# KiCad board spleeb.kicad_pcb (continued)
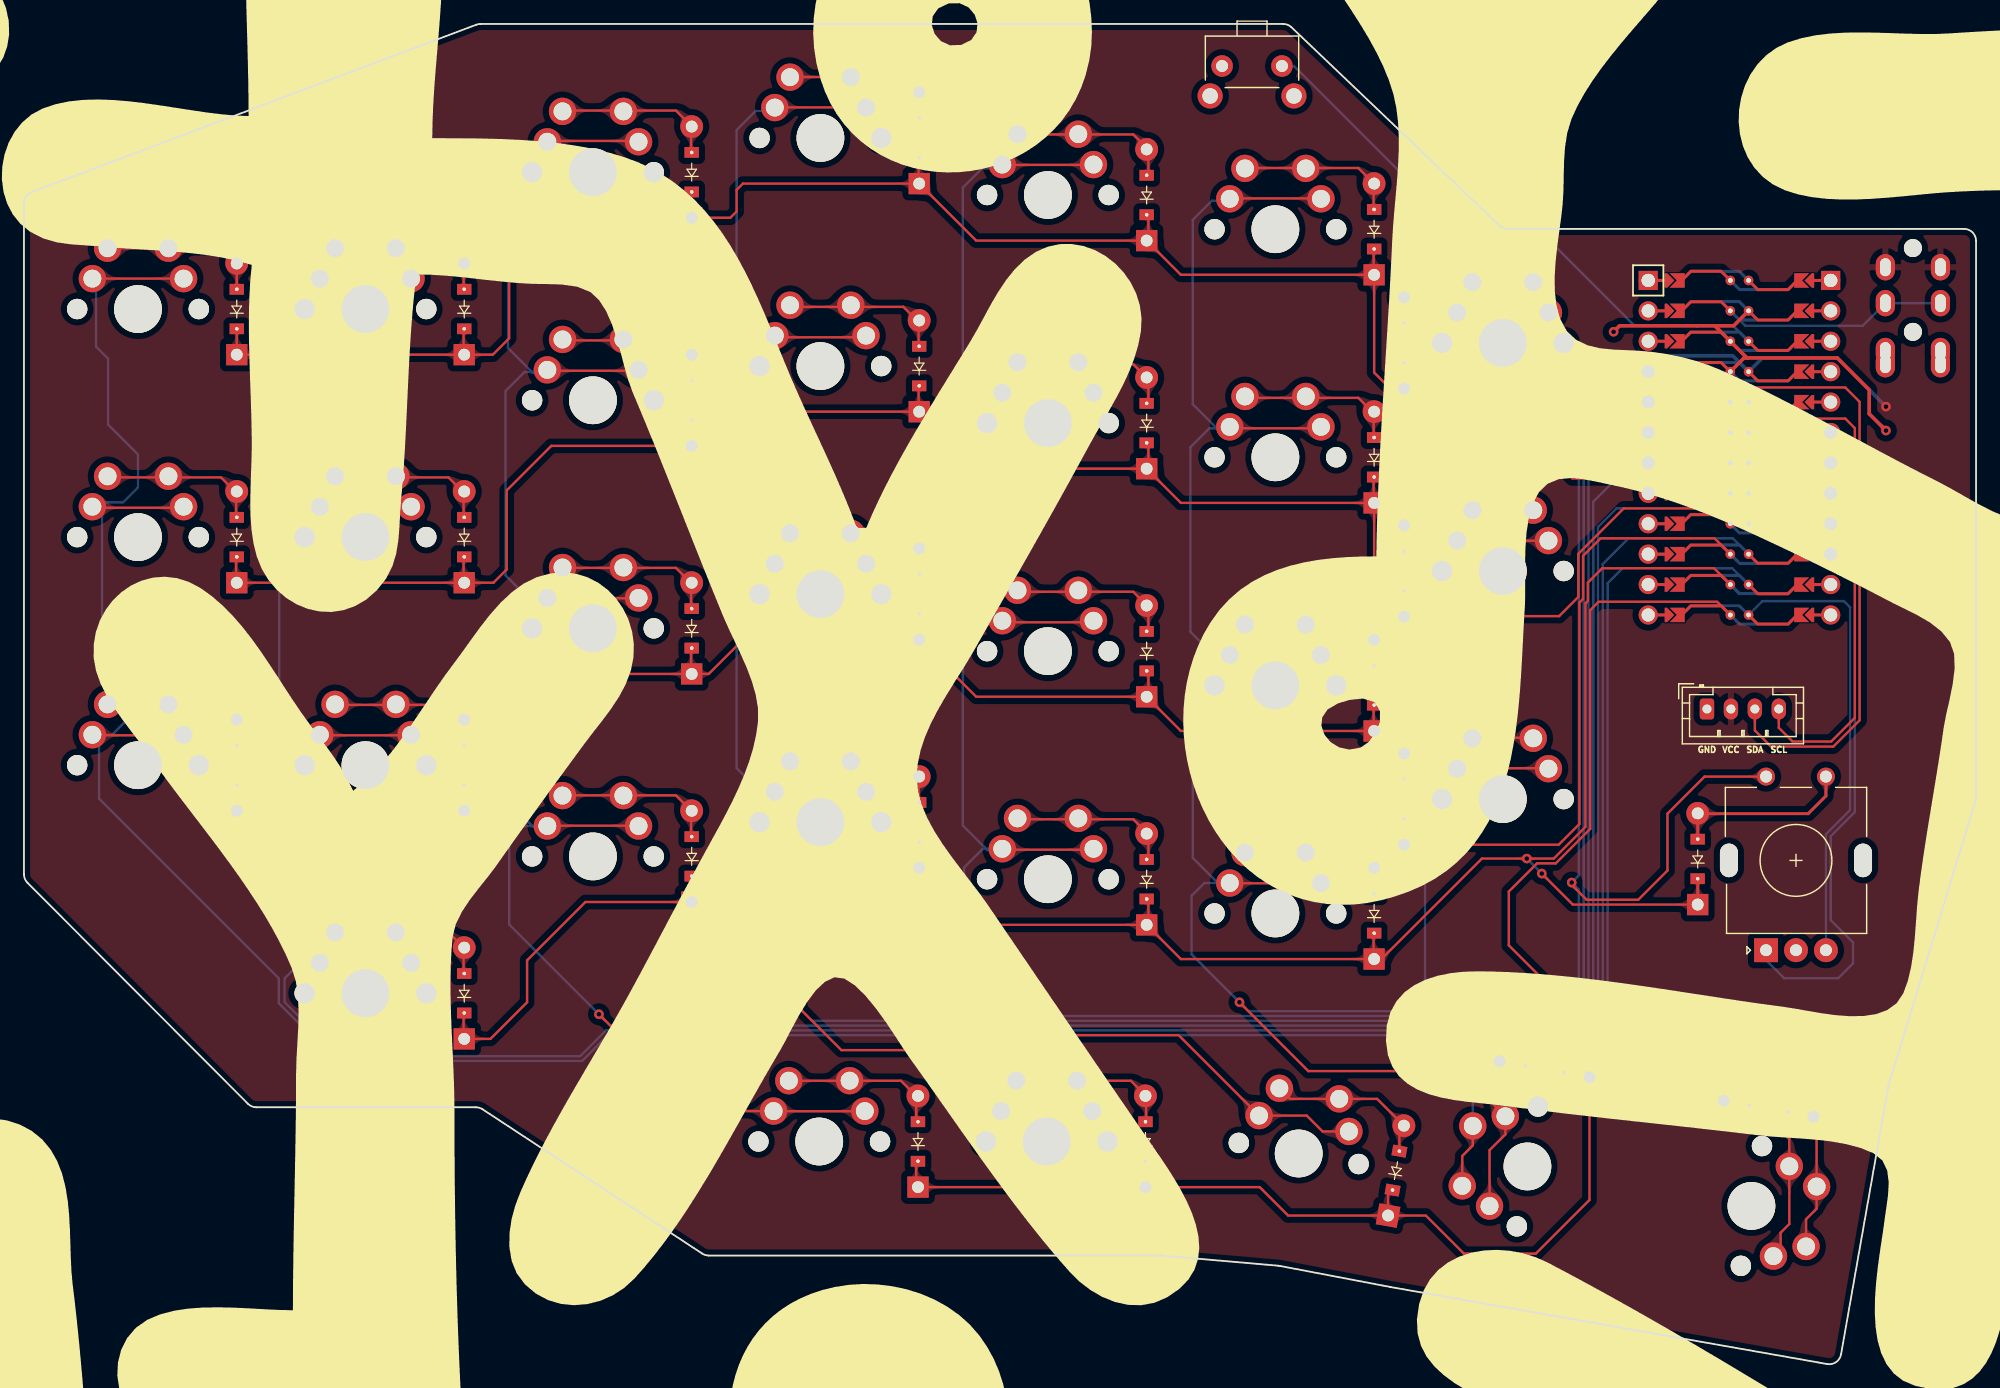
[diagram p0: board, top side]
## Routing (per net, layer and track width the routed paths; a pad name or vN(x,y) marks a point on that pad's centre or on a via; arc(x,y) is an arc through that point) (continued)
pinky_home: length 13.5
  Top w0.2: 36.73,51.63 36.73,53.79 35.46,55.06 25.94,55.06
pinky_number: length 13.5
  Top w0.2: 25.94,93.26 35.46,93.26 36.73,91.99 36.73,89.83
pinky_top: length 13.5
  Top w0.2: 25.94,74.06 35.46,74.06 36.73,72.79 36.73,70.63
ring_bottom: length 13.5
  Top w0.2: 55.73,44.07 55.73,46.23 54.46,47.5 44.94,47.5
ring_col: length 286.9
  Top w0.2: 62.47,21.12 70.09,21.12 ; v1(48.03,29.22) 56.12,21.13 S27.2 ; 43.67,44.96 51.29,44.96 ; 43.67,102.16 51.29,102.16 ; 43.67,63.96 51.29,63.96 ; 43.67,82.96 51.29,82.96
  Bottom w0.2: S8.2 41.59,44.94 40.53,43.88 40.53,36.72 48.98,28.27 130.02,28.27 131.48,29.72 131.48,69.92 133.03,71.47 142.77,71.47 MCU1.9 ; 43.62,63.81 42.29,63.81 40.23,65.87 40.23,81.27 41.82,82.86 43.62,82.86 ; 43.82,44.91 42.49,44.91 40.43,46.97 40.43,62.37 42.02,63.96 43.82,63.96 ; 43.82,82.81 42.49,82.81 40.43,84.87 40.43,100.27 42.02,101.86 43.82,101.86
ring_home: length 13.5
  Top w0.2: 55.73,63.07 55.73,65.23 54.46,66.5 44.94,66.5
ring_number: length 13.5
  Top w0.2: 44.94,104.7 54.46,104.7 55.73,103.43 55.73,101.27
ring_top: length 13.5
  Top w0.2: 55.73,82.07 55.73,84.23 54.46,85.5 44.94,85.5
rot_left: length 61.3
  Bottom w0.2: MCU1.18 143.82,73.97 151.22,73.97 152.93,72.27 152.93,46.11 150.91,44.09 150.91,37.09 152.78,35.22 152.78,33.47 151.53,32.22 147.03,32.22 145.51,33.74 ROT1.A
rot_right: length 38.6
  Bottom w0.2: ROT1.B 150.51,44.26 152.53,46.27 152.53,63.22 152.03,63.72 145.2,63.72 MCU1.12
RST: length 48.5
  Bottom w0.2: B1.1 106.08,108.42 120.78,93.72 127.53,93.72 134.53,86.72 142.76,86.72 MCU1.3
SCL: length 44.6
  Top w0.2: JST1.4 146.58,53.15 147.73,52 150.95,52 152.93,53.97 152.93,78.17 152.13,78.97 143.69,78.97 MCU1.19
SDA: length 50.4
  Top w0.2: MCU1.20 143.75,81.57 152.13,81.57 153.33,80.37 153.33,53.77 151.13,51.57 145.93,51.57 144.58,52.92 JST1.3
serial: length 18.9
  Bottom w0.2: MCU1.23 143.77,86.72 153.58,86.72 TRRS1.3 TRRS1.3
top_row: length 168.9
  Top w0.2: 74.73,81.57 74.73,79.41 ; 17.73,67.33 17.73,65.17 ; 36.73,67.33 36.73,65.17 ; 112.73,73.97 112.73,71.81 ; 93.93,76.77 93.93,74.61 ; 17.78,65.26 36.78,65.26 39.22,65.26 40.33,66.37 40.33,72.97 44.05,76.69 55.78,76.69 58.75,76.69 59.33,77.27 59.33,79.17 59.7,79.55 74.78,79.55 79.54,74.79 93.78,74.79 96.63,71.93 112.78,71.93 112.78,63.97 114.32,62.43 115.28,62.43 116.98,62.43 117.03,62.47 128.23,62.47 129.83,64.07 129.83,67.67 133.63,71.47 141.24,71.47 MCU1.16 ; 115.28,64.58 115.28,62.42 ; 55.73,78.77 55.73,76.61

## Copper pours and planes (outline as drawn; the poured copper is in the pictures)
GND on Bottom: 168.53,-6.03 -3.87,-5.98 -4.77,116.62 167.03,116.72
VCC on Top: 168.53,-6.03 -3.87,-5.98 -4.77,116.62 167.03,116.72
bottom_row on Top: 76.1,40.27 75.96,40.43 75.86,40.57 75.79,40.71 75.76,40.84 75.73,40.97 75.72,41.1 75.71,41.24 75.7,41.39 75.67,41.56 75.61,41.74 74.46,41.76 74.48,40.61 74.67,40.56 74.83,40.52 74.98,40.51 75.12,40.5 75.26,40.49 75.39,40.47 75.52,40.43 75.65,40.37 75.8,40.27 75.96,40.13
bottom_row on Top: 38.54,27.26 38.33,27.27 38.16,27.31 38.02,27.36 37.9,27.42 37.79,27.5 37.69,27.59 37.59,27.68 37.47,27.77 37.33,27.87 37.16,27.96 36.33,27.16 37.16,26.36 37.33,26.45 37.47,26.55 37.59,26.64 37.69,26.74 37.79,26.82 37.9,26.9 38.02,26.97 38.16,27.02 38.33,27.05 38.54,27.06
bottom_row on Top: 112.63,35.58 112.61,35.37 112.58,35.19 112.53,35.05 112.47,34.93 112.39,34.82 112.3,34.72 112.22,34.61 112.13,34.49 112.04,34.34 111.95,34.17 112.8,33.38 113.55,34.26 113.45,34.42 113.35,34.55 113.25,34.66 113.16,34.76 113.07,34.86 112.99,34.96 112.92,35.07 112.87,35.21 112.84,35.38 112.83,35.58
bottom_row on Top: 54.01,38.49 54.22,38.48 54.39,38.45 54.53,38.4 54.65,38.33 54.76,38.25 54.86,38.17 54.96,38.07 55.08,37.98 55.22,37.88 55.39,37.79 56.22,38.59 55.39,39.39 55.22,39.3 55.08,39.2 54.96,39.11 54.86,39.02 54.76,38.93 54.65,38.85 54.53,38.79 54.39,38.74 54.22,38.7 54.01,38.69
bottom_row on Top: 92.01,36.59 92.22,36.57 92.39,36.54 92.53,36.49 92.65,36.43 92.76,36.35 92.86,36.26 92.96,36.17 93.08,36.07 93.22,35.98 93.39,35.89 94.22,36.69 93.39,37.49 93.22,37.39 93.08,37.3 92.96,37.2 92.86,37.11 92.76,37.02 92.65,36.95 92.53,36.88 92.39,36.83 92.22,36.8 92.01,36.79
bottom_row on Top: 95.1,35.51 94.96,35.66 94.86,35.81 94.79,35.94 94.76,36.07 94.73,36.2 94.72,36.34 94.71,36.48 94.7,36.63 94.67,36.79 94.61,36.98 93.46,37 93.48,35.85 93.67,35.79 93.83,35.76 93.98,35.75 94.12,35.74 94.26,35.73 94.39,35.71 94.52,35.67 94.65,35.6 94.8,35.5 94.96,35.36
bottom_row on Top: 138.03,38.28 138.24,38.27 138.41,38.23 138.55,38.18 138.67,38.12 138.78,38.04 138.88,37.95 138.99,37.86 139.11,37.77 139.24,37.67 139.41,37.58 140.24,38.38 139.41,39.18 139.24,39.09 139.11,38.99 138.99,38.9 138.88,38.8 138.78,38.72 138.67,38.64 138.55,38.57 138.41,38.52 138.24,38.49 138.03,38.48
bottom_row on Top: 55.63,40.37 55.61,40.15 55.58,39.98 55.53,39.83 55.47,39.71 55.39,39.6 55.31,39.49 55.22,39.38 55.13,39.26 55.04,39.11 54.95,38.93 55.8,38.15 56.55,39.02 56.45,39.18 56.35,39.32 56.25,39.43 56.15,39.53 56.06,39.63 55.99,39.74 55.92,39.85 55.87,39.99 55.84,40.16 55.83,40.37
bottom_row on Top: 93.83,38.38 93.81,38.19 93.78,38.04 93.73,37.91 93.66,37.81 93.58,37.72 93.49,37.64 93.39,37.55 93.28,37.46 93.17,37.35 93.06,37.21 93.69,36.25 94.63,36.92 94.57,37.1 94.5,37.26 94.42,37.38 94.34,37.5 94.26,37.61 94.19,37.72 94.12,37.84 94.07,37.99 94.04,38.17 94.03,38.38
bottom_row on Top: 114.19,34.78 114.06,34.66 113.94,34.59 113.82,34.54 113.71,34.53 113.6,34.54 113.48,34.56 113.36,34.59 113.23,34.63 113.08,34.67 112.92,34.7 112.35,33.7 113.4,33.2 113.54,33.35 113.65,33.5 113.73,33.63 113.79,33.76 113.84,33.89 113.9,34.02 113.96,34.16 114.05,34.3 114.17,34.46 114.33,34.63
bottom_row on Top: 111.01,33.73 111.22,33.72 111.39,33.68 111.53,33.63 111.65,33.57 111.76,33.49 111.86,33.4 111.96,33.31 112.08,33.22 112.22,33.12 112.39,33.03 113.22,33.83 112.39,34.63 112.22,34.54 112.08,34.44 111.96,34.35 111.86,34.25 111.76,34.17 111.65,34.09 111.53,34.02 111.39,33.97 111.22,33.94 111.01,33.93
bottom_row on Top: 36.63,28.94 36.61,28.72 36.58,28.55 36.53,28.4 36.47,28.28 36.39,28.17 36.31,28.06 36.22,27.95 36.13,27.83 36.04,27.68 35.95,27.5 36.8,26.72 37.55,27.59 37.45,27.75 37.35,27.89 37.25,28 37.15,28.1 37.06,28.2 36.99,28.31 36.92,28.42 36.87,28.56 36.84,28.73 36.83,28.94
bottom_row on Top: 57.54,38.69 57.33,38.7 57.16,38.74 57.02,38.79 56.9,38.85 56.79,38.93 56.69,39.02 56.59,39.11 56.47,39.2 56.33,39.3 56.16,39.39 55.33,38.59 56.16,37.79 56.33,37.88 56.47,37.98 56.59,38.07 56.69,38.17 56.79,38.25 56.9,38.33 57.02,38.4 57.16,38.45 57.33,38.48 57.54,38.49
bottom_row on Top: 74.63,43.18 74.61,42.97 74.58,42.8 74.53,42.66 74.46,42.54 74.39,42.43 74.21,42.22 74.12,42.1 74.04,41.96 73.95,41.79 74.8,41 75.55,41.88 75.45,42.04 75.35,42.17 75.25,42.28 75.16,42.37 75.07,42.47 74.99,42.57 74.92,42.68 74.87,42.81 74.84,42.98 74.83,43.18
bottom_row on Top: 73.01,41.35 73.22,41.34 73.39,41.3 73.53,41.25 73.65,41.19 73.76,41.11 73.86,41.02 73.96,40.93 74.08,40.84 74.22,40.74 74.39,40.65 75.22,41.45 74.39,42.25 74.22,42.16 74.08,42.06 73.96,41.97 73.86,41.87 73.76,41.79 73.65,41.71 73.53,41.64 73.39,41.59 73.22,41.56 73.01,41.55
bottom_row on Top: 139.68,40.15 139.66,39.94 139.63,39.77 139.59,39.63 139.52,39.51 139.45,39.4 139.37,39.3 139.28,39.19 139.18,39.07 139.09,38.93 139,38.77 139.8,37.93 140.6,38.77 140.51,38.93 140.42,39.07 140.32,39.19 140.23,39.3 140.15,39.4 140.08,39.51 140.01,39.63 139.97,39.77 139.94,39.94 139.93,40.15
extra_bottom on Top: 139.93,44.1 139.94,44.32 139.97,44.51 140.02,44.66 140.09,44.79 140.17,44.9 140.26,45.01 140.36,45.13 140.46,45.25 140.56,45.4 140.66,45.58 139.8,46.47 138.94,45.58 139.04,45.4 139.14,45.25 139.24,45.13 139.34,45.01 139.43,44.9 139.51,44.79 139.58,44.66 139.63,44.51 139.66,44.32 139.68,44.1
extra_bottom on Top: 150.64,47.58 150.64,47.75 150.67,47.9 150.71,48.02 150.76,48.12 150.82,48.21 150.88,48.3 150.96,48.39 151.03,48.49 151.11,48.6 151.19,48.74 150.51,49.44 149.84,48.74 149.91,48.6 149.99,48.49 150.06,48.39 150.14,48.3 150.2,48.21 150.26,48.12 150.31,48.02 150.35,47.9 150.38,47.75 150.39,47.58
extra_bottom on Top: 141.71,46.1 141.49,46.11 141.3,46.14 141.15,46.19 141.02,46.26 140.91,46.34 140.8,46.43 140.69,46.53 140.56,46.64 140.42,46.74 140.24,46.84 139.32,46.01 140.19,45.13 140.38,45.22 140.53,45.32 140.66,45.42 140.78,45.51 140.89,45.6 141.01,45.68 141.14,45.75 141.29,45.8 141.48,45.83 141.71,45.85
extra_col on Top: 144.02,48.97 144.2,48.96 144.34,48.93 144.46,48.89 144.56,48.84 144.65,48.77 144.74,48.7 144.83,48.63 144.93,48.55 145.04,48.47 145.18,48.39 145.89,49.07 145.18,49.74 145.04,49.67 144.93,49.59 144.83,49.51 144.74,49.43 144.65,49.36 144.56,49.3 144.46,49.25 144.34,49.2 144.2,49.18 144.02,49.17
extra_col on Top: 125.05,49.67 125.32,49.66 125.54,49.61 125.72,49.54 125.87,49.46 126.01,49.35 126.13,49.23 126.26,49.11 126.41,48.98 126.59,48.85 126.8,48.72 127.91,49.71 126.88,50.78 126.65,50.66 126.46,50.54 126.31,50.42 126.17,50.3 126.03,50.19 125.89,50.08 125.74,50 125.55,49.93 125.33,49.89 125.05,49.87
extra_col on Top: 147.55,14.23 147.57,14.51 147.61,14.73 147.68,14.91 147.77,15.06 147.87,15.2 147.98,15.33 148.11,15.47 148.23,15.62 148.36,15.8 148.48,16.02 147.45,17.09 146.42,16.02 146.54,15.8 146.67,15.62 146.8,15.47 146.92,15.33 147.03,15.2 147.14,15.06 147.22,14.91 147.29,14.73 147.34,14.51 147.35,14.23
extra_col on Top: 125.05,68.67 125.33,68.66 125.55,68.61 125.73,68.54 125.88,68.46 126.02,68.35 126.15,68.24 126.29,68.12 126.44,67.99 126.62,67.87 126.84,67.75 127.91,68.78 126.83,69.8 126.61,69.68 126.43,69.56 126.28,69.43 126.15,69.3 126.02,69.19 125.88,69.09 125.73,69 125.55,68.93 125.32,68.89 125.05,68.87
extra_col on Top: 122,87.93 121.73,87.94 121.5,87.99 121.32,88.06 121.17,88.14 121.03,88.25 120.9,88.36 120.76,88.48 120.61,88.61 120.43,88.74 120.21,88.86 119.14,87.83 120.21,86.8 120.43,86.92 120.61,87.05 120.76,87.17 120.9,87.3 121.03,87.41 121.17,87.51 121.32,87.6 121.5,87.67 121.73,87.71 122,87.73
extra_col on Top: 146.77,11.16 146.6,10.99 146.47,10.84 146.35,10.71 146.25,10.6 146.15,10.49 146.06,10.39 145.95,10.3 145.83,10.2 145.69,10.09 145.51,9.97 145.83,8.52 147.27,8.9 147.26,9.17 147.19,9.41 147.09,9.63 146.96,9.84 146.84,10.03 146.73,10.22 146.67,10.4 146.66,10.59 146.74,10.8 146.91,11.01
extra_col on Top: 125.05,87.73 125.32,87.71 125.55,87.67 125.73,87.6 125.88,87.51 126.02,87.41 126.15,87.3 126.29,87.17 126.44,87.05 126.62,86.92 126.84,86.8 127.91,87.83 126.84,88.86 126.62,88.74 126.44,88.61 126.29,88.48 126.15,88.36 126.02,88.25 125.88,88.14 125.73,88.06 125.55,87.99 125.32,87.94 125.05,87.93
extra_col on Top: 122,68.87 121.73,68.89 121.5,68.93 121.32,69 121.17,69.09 121.03,69.19 120.9,69.3 120.77,69.43 120.62,69.56 120.44,69.68 120.22,69.8 119.14,68.78 120.21,67.75 120.43,67.87 120.61,67.99 120.76,68.12 120.9,68.24 121.03,68.35 121.17,68.46 121.32,68.54 121.5,68.61 121.72,68.66 122,68.67
extra_col on Top: 147.37,18.73 147.52,18.54 147.57,18.36 147.54,18.21 147.45,18.06 147.3,17.91 147.12,17.76 146.93,17.6 146.73,17.43 146.56,17.24 146.42,17.01 147.45,15.95 148.26,17.32 148.12,17.48 148.03,17.64 147.97,17.78 147.94,17.93 147.91,18.08 147.88,18.22 147.84,18.37 147.77,18.53 147.67,18.7 147.51,18.88
extra_col on Top: 122,49.87 121.72,49.89 121.5,49.93 121.31,50 121.16,50.08 121.02,50.19 120.88,50.3 120.74,50.42 120.59,50.54 120.4,50.66 120.17,50.78 119.14,49.71 120.25,48.72 120.46,48.85 120.64,48.98 120.79,49.11 120.92,49.23 121.04,49.35 121.18,49.46 121.33,49.54 121.51,49.61 121.73,49.66 122,49.67
extra_col on Bottom: 117.5,50.06 117.68,49.89 117.83,49.75 117.98,49.64 118.11,49.55 118.35,49.38 118.47,49.3 118.6,49.2 118.75,49.07 118.91,48.92 120.29,49.7 119.26,50.78 119.06,50.67 118.88,50.54 118.72,50.4 118.56,50.27 118.41,50.15 118.27,50.05 118.12,50 117.97,50 117.81,50.06 117.64,50.2
extra_col on Bottom: 117.63,87.43 117.8,87.57 117.96,87.63 118.11,87.63 118.25,87.57 118.39,87.47 118.54,87.34 118.69,87.2 118.85,87.05 119.02,86.91 119.22,86.8 120.29,87.83 118.91,88.64 118.75,88.49 118.6,88.37 118.47,88.28 118.35,88.2 118.22,88.13 118.1,88.06 117.96,87.97 117.82,87.87 117.66,87.74 117.49,87.57
extra_col on Bottom: 117.67,49.23 117.84,49.36 117.99,49.42 118.14,49.43 118.28,49.38 118.42,49.3 118.56,49.19 118.7,49.06 118.86,48.93 119.03,48.81 119.22,48.7 120.29,49.73 118.91,50.54 118.75,50.38 118.61,50.26 118.48,50.15 118.36,50.06 118.13,49.89 118,49.79 117.86,49.68 117.71,49.54 117.53,49.37
extra_col on Bottom: 117.55,69.2 117.73,69.02 117.89,68.88 118.02,68.76 118.14,68.65 118.37,68.47 118.48,68.37 118.61,68.26 118.75,68.13 118.91,67.97 120.29,68.78 119.22,69.81 119.03,69.7 118.87,69.59 118.71,69.46 118.57,69.35 118.43,69.25 118.29,69.17 118.15,69.14 118.01,69.14 117.86,69.21 117.7,69.34
extra_col on Bottom: 117.57,68.57 117.75,68.72 117.91,68.77 118.06,68.75 118.2,68.67 118.35,68.55 118.49,68.4 118.64,68.23 118.8,68.06 118.97,67.9 119.17,67.77 120.29,68.75 118.91,69.59 118.75,69.45 118.6,69.35 118.46,69.27 118.33,69.22 118.19,69.18 118.05,69.13 117.91,69.07 117.76,68.99 117.6,68.87 117.43,68.72
extra_home on Top: 116.63,52.41 116.44,52.4 116.28,52.36 116.14,52.31 116.03,52.25 115.92,52.18 115.82,52.11 115.71,52.05 115.59,52 115.45,51.96 115.28,51.95 114.95,50.65 116.18,50.71 116.23,50.92 116.24,51.12 116.22,51.33 116.21,51.53 116.19,51.71 116.2,51.87 116.23,52.01 116.3,52.12 116.43,52.19 116.63,52.21
extra_home on Top: 123.78,52.21 124.05,52.2 124.27,52.15 124.45,52.08 124.6,52 124.74,51.89 124.86,51.77 124.99,51.65 125.14,51.52 125.32,51.39 125.53,51.26 126.64,52.25 125.61,53.32 125.38,53.2 125.19,53.08 125.04,52.96 124.9,52.84 124.76,52.73 124.62,52.62 124.47,52.54 124.28,52.47 124.06,52.43 123.78,52.41
extra_home on Top: 123.27,52.41 122.99,52.43 122.77,52.47 122.58,52.54 122.43,52.62 122.29,52.73 122.15,52.84 122.01,52.96 121.86,53.08 121.67,53.2 121.44,53.32 120.41,52.25 121.52,51.26 121.73,51.39 121.91,51.52 122.06,51.65 122.19,51.77 122.31,51.89 122.45,52 122.6,52.08 122.78,52.15 123,52.2 123.27,52.21
extra_home on Top: 118.7,52.21 118.97,52.2 119.19,52.15 119.37,52.08 119.52,52 119.66,51.89 119.78,51.77 119.91,51.65 120.06,51.52 120.24,51.39 120.45,51.26 121.56,52.25 120.53,53.32 120.3,53.2 120.11,53.08 119.96,52.96 119.82,52.84 119.68,52.73 119.54,52.62 119.39,52.54 119.2,52.47 118.98,52.43 118.7,52.41
extra_home on Top: 115.38,49.14 115.39,49.36 115.42,49.54 115.48,49.69 115.55,49.81 115.64,49.92 115.73,50.03 115.83,50.14 115.93,50.26 116.03,50.41 116.13,50.58 115.28,51.47 114.42,50.58 114.52,50.41 114.62,50.26 114.72,50.14 114.82,50.03 114.91,49.92 115,49.81 115.07,49.69 115.13,49.54 115.16,49.36 115.18,49.14
extra_number on Top: 118.7,90.27 118.97,90.25 119.2,90.21 119.38,90.14 119.53,90.05 119.67,89.95 119.8,89.84 119.94,89.71 120.09,89.59 120.27,89.46 120.49,89.34 121.56,90.37 120.49,91.4 120.27,91.28 120.09,91.15 119.94,91.02 119.8,90.9 119.67,90.79 119.53,90.68 119.38,90.6 119.2,90.53 118.97,90.48 118.7,90.47
extra_number on Top: 115.38,87.2 115.39,87.42 115.42,87.61 115.48,87.76 115.55,87.89 115.63,88 115.73,88.11 115.83,88.23 115.93,88.35 116.03,88.5 116.13,88.68 115.28,89.57 114.42,88.68 114.52,88.5 114.62,88.35 114.72,88.23 114.82,88.11 114.92,88 115,87.89 115.07,87.76 115.13,87.61 115.16,87.42 115.18,87.2
extra_number on Top: 123.27,90.47 123,90.48 122.77,90.53 122.59,90.6 122.44,90.68 122.3,90.79 122.17,90.9 122.03,91.02 121.88,91.15 121.7,91.28 121.48,91.4 120.41,90.37 121.48,89.34 121.7,89.46 121.88,89.59 122.03,89.71 122.17,89.84 122.3,89.95 122.44,90.05 122.59,90.14 122.77,90.21 123,90.25 123.27,90.27
extra_number on Top: 123.78,90.27 124.05,90.25 124.28,90.21 124.46,90.14 124.61,90.05 124.75,89.95 124.88,89.84 125.02,89.71 125.17,89.59 125.35,89.46 125.57,89.34 126.64,90.37 125.57,91.4 125.35,91.28 125.17,91.15 125.02,91.02 124.88,90.9 124.75,90.79 124.61,90.68 124.46,90.6 124.28,90.53 124.05,90.48 123.78,90.47
extra_number on Top: 116.66,90.47 116.46,90.46 116.3,90.43 116.16,90.38 116.05,90.32 115.94,90.26 115.83,90.2 115.72,90.14 115.6,90.09 115.45,90.06 115.28,90.05 114.94,88.76 116.17,88.79 116.22,88.99 116.24,89.19 116.23,89.39 116.22,89.59 116.21,89.77 116.22,89.94 116.26,90.07 116.33,90.18 116.46,90.24 116.66,90.27
extra_top on Top: 115.38,68.14 115.39,68.37 115.42,68.55 115.48,68.7 115.55,68.83 115.63,68.95 115.73,69.06 115.83,69.17 115.93,69.3 116.03,69.45 116.13,69.63 115.28,70.52 114.42,69.63 114.52,69.45 114.62,69.3 114.72,69.17 114.82,69.06 114.92,68.95 115,68.83 115.07,68.7 115.13,68.55 115.16,68.37 115.18,68.14
extra_top on Top: 123.78,71.21 124.06,71.2 124.28,71.15 124.46,71.08 124.61,71 124.75,70.89 124.88,70.78 125.02,70.66 125.17,70.53 125.35,70.41 125.57,70.29 126.64,71.32 125.56,72.34 125.34,72.22 125.16,72.1 125.01,71.97 124.88,71.84 124.75,71.73 124.61,71.63 124.46,71.54 124.28,71.47 124.05,71.43 123.78,71.41
extra_top on Top: 116.66,71.41 116.46,71.4 116.3,71.37 116.16,71.32 116.05,71.27 115.94,71.21 115.83,71.15 115.72,71.09 115.6,71.04 115.45,71.01 115.28,71 114.94,69.71 116.17,69.73 116.22,69.93 116.24,70.14 116.23,70.34 116.22,70.53 116.21,70.72 116.22,70.88 116.26,71.01 116.33,71.12 116.46,71.19 116.66,71.21
extra_top on Top: 123.27,71.41 123,71.43 122.77,71.47 122.59,71.54 122.44,71.63 122.3,71.73 122.17,71.84 122.04,71.97 121.89,72.1 121.71,72.22 121.49,72.34 120.41,71.32 121.48,70.29 121.7,70.41 121.88,70.53 122.03,70.66 122.17,70.78 122.3,70.89 122.44,71 122.59,71.08 122.77,71.15 122.99,71.2 123.27,71.21
extra_top on Top: 118.7,71.21 118.98,71.2 119.2,71.15 119.38,71.08 119.53,71 119.67,70.89 119.8,70.78 119.94,70.66 120.09,70.53 120.27,70.41 120.49,70.29 121.56,71.32 120.48,72.34 120.26,72.22 120.08,72.1 119.93,71.97 119.8,71.84 119.67,71.73 119.53,71.63 119.38,71.54 119.2,71.47 118.97,71.43 118.7,71.41
far_mods on Top: 149.63,17.11 149.62,16.84 149.57,16.61 149.51,16.43 149.42,16.28 149.31,16.14 149.2,16.01 149.08,15.87 148.95,15.72 148.82,15.54 148.7,15.32 149.73,14.25 150.76,15.32 150.64,15.54 150.51,15.72 150.39,15.87 150.27,16.01 150.15,16.14 150.05,16.28 149.96,16.43 149.89,16.61 149.85,16.84 149.83,17.11
far_mods on Top: 149.49,12.59 149.65,12.77 149.78,12.93 149.89,13.07 149.97,13.2 150.04,13.33 150.11,13.45 150.19,13.58 150.28,13.71 150.39,13.86 150.54,14.02 149.73,15.4 148.7,14.33 148.82,14.13 148.96,13.96 149.1,13.79 149.25,13.64 149.38,13.5 149.48,13.36 149.54,13.22 149.54,13.07 149.48,12.91 149.35,12.73
far_mods on Top: 147.54,20.71 147.68,20.58 147.82,20.48 147.95,20.42 148.07,20.37 148.19,20.33 148.31,20.3 148.42,20.25 148.54,20.2 148.67,20.11 148.8,20 149.95,20.67 149.06,21.53 148.88,21.42 148.73,21.29 148.59,21.15 148.46,21 148.34,20.87 148.22,20.77 148.1,20.7 147.97,20.69 147.83,20.73 147.68,20.85
far_mods on Top: 149.83,18.8 149.84,19.04 149.88,19.24 149.93,19.41 150,19.56 150.07,19.69 150.15,19.82 150.22,19.96 150.3,20.11 150.36,20.29 150.41,20.5 149.34,21.13 148.76,20.04 148.89,19.9 149.02,19.79 149.15,19.69 149.26,19.6 149.36,19.51 149.45,19.42 149.53,19.3 149.58,19.17 149.62,19 149.63,18.8
far_mods on Top: 148.79,12.18 148.64,12 148.53,11.84 148.46,11.68 148.42,11.53 148.39,11.38 148.37,11.23 148.33,11.09 148.27,10.94 148.18,10.79 148.04,10.63 148.85,9.25 149.88,10.32 149.74,10.54 149.57,10.73 149.38,10.91 149.18,11.07 149,11.21 148.86,11.36 148.76,11.51 148.73,11.67 148.78,11.84 148.93,12.04
home_mods on Top: 120.03,17.17 120.02,16.9 119.97,16.67 119.91,16.49 119.82,16.34 119.72,16.2 119.6,16.07 119.48,15.93 119.35,15.78 119.23,15.6 119.1,15.38 120.13,14.31 121.16,15.38 121.04,15.6 120.92,15.78 120.79,15.93 120.67,16.07 120.55,16.2 120.45,16.34 120.36,16.49 120.29,16.67 120.25,16.9 120.23,17.17
home_mods on Top: 125.19,25.25 125.05,25.38 124.91,25.48 124.78,25.54 124.66,25.59 124.54,25.63 124.42,25.66 124.31,25.71 124.19,25.76 124.06,25.85 123.93,25.96 122.78,25.29 123.67,24.43 123.85,24.54 124,24.67 124.14,24.81 124.27,24.96 124.39,25.09 124.51,25.19 124.63,25.26 124.76,25.27 124.9,25.23 125.05,25.11
home_mods on Top: 120.62,17.72 120.79,17.9 120.93,18.05 121.05,18.19 121.15,18.31 121.34,18.54 121.43,18.66 121.54,18.78 121.67,18.92 121.82,19.08 121.02,20.46 119.99,19.39 120.09,19.21 120.21,19.04 120.34,18.88 120.46,18.74 120.56,18.6 120.64,18.46 120.68,18.32 120.67,18.18 120.61,18.02 120.47,17.86
home_mods on Bottom: 120.92,22.17 120.9,21.9 120.86,21.68 120.79,21.49 120.7,21.34 120.6,21.2 120.48,21.07 120.36,20.94 120.23,20.79 120.11,20.61 119.99,20.39 121.02,19.32 122.04,20.39 121.92,20.61 121.8,20.79 121.67,20.94 121.55,21.07 121.43,21.2 121.33,21.34 121.24,21.49 121.17,21.68 121.13,21.9 121.12,22.17
home_mods on Bottom: 121.98,23.88 122.15,24.03 122.31,24.13 122.45,24.2 122.59,24.24 122.74,24.26 122.88,24.27 123.03,24.28 123.19,24.3 123.37,24.33 123.57,24.39 123.59,25.63 122.36,25.6 122.3,25.41 122.27,25.23 122.25,25.06 122.24,24.91 122.23,24.77 122.21,24.63 122.17,24.49 122.1,24.34 121.99,24.19 121.84,24.02
home_row on Top: 117.04,43.48 116.83,43.49 116.66,43.52 116.52,43.57 116.4,43.64 116.29,43.72 116.19,43.8 116.09,43.9 115.97,43.99 115.83,44.09 115.66,44.18 114.83,43.38 115.66,42.58 115.83,42.67 115.97,42.77 116.09,42.86 116.19,42.95 116.29,43.04 116.4,43.12 116.52,43.18 116.66,43.23 116.83,43.27 117.04,43.28
home_row on Top: 112.63,54.58 112.61,54.37 112.58,54.21 112.53,54.07 112.46,53.95 112.38,53.85 112.21,53.64 112.12,53.52 112.03,53.39 111.95,53.22 112.8,52.43 113.55,53.31 113.45,53.47 113.35,53.59 113.25,53.7 113.16,53.79 113.07,53.89 112.99,53.98 112.92,54.09 112.87,54.22 112.84,54.38 112.83,54.58
home_row on Top: 95.1,54.56 94.96,54.71 94.86,54.86 94.79,54.99 94.76,55.12 94.73,55.25 94.72,55.39 94.71,55.53 94.7,55.68 94.67,55.84 94.61,56.03 93.46,56.05 93.48,54.9 93.67,54.84 93.83,54.81 93.98,54.8 94.12,54.79 94.26,54.78 94.39,54.76 94.52,54.72 94.65,54.65 94.8,54.55 94.96,54.41
home_row on Top: 55.63,59.38 55.61,59.17 55.58,59 55.53,58.86 55.46,58.74 55.39,58.63 55.21,58.42 55.12,58.3 55.04,58.15 54.95,57.98 55.8,57.2 56.55,58.07 56.45,58.23 56.35,58.36 56.25,58.47 56.16,58.57 56.07,58.66 55.99,58.76 55.92,58.88 55.87,59.01 55.84,59.18 55.83,59.38
home_row on Top: 36.63,47.94 36.61,47.73 36.58,47.56 36.53,47.42 36.46,47.3 36.39,47.19 36.21,46.98 36.12,46.86 36.04,46.72 35.95,46.55 36.8,45.77 37.55,46.65 37.45,46.8 37.35,46.93 37.25,47.04 37.16,47.14 37.07,47.23 36.99,47.33 36.92,47.44 36.87,47.58 36.84,47.74 36.83,47.94
home_row on Top: 112.88,51.11 112.89,51.32 112.92,51.49 112.97,51.63 113.04,51.75 113.11,51.86 113.2,51.96 113.29,52.07 113.39,52.18 113.48,52.32 113.58,52.49 112.78,53.32 111.97,52.49 112.07,52.32 112.16,52.18 112.26,52.07 112.35,51.96 112.44,51.86 112.51,51.75 112.58,51.63 112.63,51.49 112.66,51.32 112.68,51.11
home_row on Top: 93.83,57.38 93.81,57.2 93.78,57.05 93.73,56.93 93.66,56.84 93.58,56.75 93.49,56.67 93.39,56.59 93.28,56.51 93.17,56.4 93.07,56.27 93.69,55.3 94.64,55.96 94.58,56.14 94.51,56.29 94.43,56.41 94.35,56.52 94.27,56.63 94.19,56.74 94.12,56.86 94.07,57 94.04,57.17 94.03,57.38
home_row on Top: 57.38,57.97 57.25,57.86 57.12,57.81 57.01,57.82 56.9,57.86 56.79,57.94 56.68,58.03 56.57,58.14 56.44,58.25 56.31,58.35 56.16,58.44 55.33,57.64 56.4,57.01 56.53,57.13 56.64,57.22 56.74,57.29 56.84,57.34 57.04,57.45 57.15,57.52 57.26,57.59 57.38,57.69 57.52,57.82
home_row on Top: 17.63,47.94 17.61,47.73 17.58,47.56 17.53,47.42 17.46,47.3 17.39,47.19 17.21,46.98 17.12,46.86 17.04,46.72 16.95,46.55 17.8,45.77 18.55,46.65 18.45,46.8 18.35,46.93 18.25,47.04 18.16,47.14 18.07,47.23 17.99,47.33 17.92,47.44 17.87,47.58 17.84,47.74 17.83,47.94
home_row on Top: 35.01,46.11 35.22,46.1 35.39,46.07 35.53,46.02 35.65,45.95 35.76,45.87 35.86,45.79 35.96,45.69 36.08,45.6 36.22,45.5 36.39,45.41 37.22,46.21 36.39,47.01 36.22,46.92 36.08,46.82 35.96,46.73 35.86,46.64 35.76,46.55 35.65,46.47 35.53,46.41 35.39,46.36 35.22,46.32 35.01,46.31
home_row on Top: 115.18,45.16 115.16,44.95 115.13,44.78 115.08,44.63 115.02,44.51 114.94,44.4 114.85,44.3 114.76,44.19 114.66,44.08 114.57,43.94 114.47,43.77 115.28,42.93 116.08,43.77 115.98,43.94 115.89,44.08 115.79,44.19 115.7,44.3 115.61,44.4 115.53,44.51 115.47,44.63 115.42,44.78 115.39,44.95 115.38,45.16
home_row on Top: 92.01,55.64 92.22,55.62 92.39,55.59 92.53,55.54 92.65,55.48 92.76,55.4 92.86,55.31 92.96,55.22 93.08,55.12 93.22,55.03 93.39,54.94 94.22,55.74 93.39,56.54 93.22,56.44 93.08,56.35 92.96,56.25 92.86,56.16 92.76,56.07 92.65,56 92.53,55.93 92.39,55.88 92.22,55.85 92.01,55.84
home_row on Top: 73.01,60.4 73.22,60.39 73.39,60.35 73.53,60.3 73.65,60.24 73.76,60.16 73.86,60.07 73.96,59.98 74.08,59.89 74.22,59.79 74.39,59.7 75.22,60.5 74.39,61.3 74.22,61.21 74.08,61.11 73.96,61.02 73.86,60.92 73.76,60.84 73.65,60.76 73.53,60.69 73.39,60.64 73.22,60.61 73.01,60.6
home_row on Top: 111.01,52.78 111.22,52.77 111.39,52.73 111.53,52.68 111.65,52.62 111.76,52.54 111.86,52.45 111.96,52.36 112.08,52.27 112.22,52.17 112.39,52.08 113.22,52.88 112.39,53.68 112.22,53.59 112.08,53.49 111.96,53.4 111.86,53.3 111.76,53.22 111.65,53.14 111.53,53.07 111.39,53.02 111.22,52.99 111.01,52.98
home_row on Top: 38.54,46.31 38.33,46.32 38.16,46.36 38.02,46.41 37.9,46.47 37.79,46.55 37.69,46.64 37.59,46.73 37.47,46.82 37.33,46.92 37.16,47.01 36.33,46.21 37.16,45.41 37.33,45.5 37.47,45.6 37.59,45.69 37.69,45.79 37.79,45.87 37.9,45.95 38.02,46.02 38.16,46.07 38.33,46.1 38.54,46.11
home_row on Top: 19.54,46.31 19.33,46.32 19.16,46.36 19.02,46.41 18.9,46.47 18.79,46.55 18.69,46.64 18.59,46.73 18.47,46.82 18.33,46.92 18.16,47.01 17.33,46.21 18.16,45.41 18.33,45.5 18.47,45.6 18.59,45.69 18.69,45.79 18.79,45.87 18.9,45.95 19.02,46.02 19.16,46.07 19.33,46.1 19.54,46.11
home_row on Top: 76.1,59.32 75.96,59.48 75.86,59.62 75.79,59.76 75.76,59.89 75.73,60.02 75.72,60.15 75.71,60.29 75.7,60.44 75.67,60.61 75.61,60.79 74.46,60.81 74.48,59.66 74.67,59.61 74.83,59.57 74.98,59.56 75.12,59.55 75.26,59.54 75.39,59.52 75.52,59.48 75.65,59.42 75.8,59.32 75.96,59.18
home_row on Top: 74.63,62.18 74.61,61.98 74.58,61.81 74.53,61.67 74.46,61.56 74.38,61.46 74.21,61.26 74.12,61.14 74.03,61 73.95,60.83 74.8,60.05 75.55,60.94 75.45,61.09 75.35,61.21 75.25,61.31 75.16,61.41 75.07,61.5 74.99,61.59 74.92,61.7 74.87,61.83 74.84,61.99 74.83,62.18
home_row on Top: 54.01,57.54 54.22,57.53 54.39,57.5 54.53,57.45 54.65,57.38 54.76,57.3 54.86,57.22 54.96,57.12 55.08,57.03 55.22,56.93 55.39,56.84 56.22,57.64 55.39,58.44 55.22,58.35 55.08,58.25 54.96,58.16 54.86,58.07 54.76,57.98 54.65,57.9 54.53,57.84 54.39,57.79 54.22,57.75 54.01,57.74
home_row on Top: 113.53,43.57 113.67,43.44 113.8,43.34 113.91,43.26 114.01,43.2 114.21,43.09 114.31,43.03 114.41,42.95 114.52,42.87 114.65,42.75 115.72,43.38 114.89,44.18 114.74,44.09 114.61,43.99 114.48,43.88 114.37,43.77 114.26,43.68 114.15,43.61 114.04,43.56 113.93,43.56 113.81,43.61 113.68,43.71
index_bottom on Top: 90.36,45.6 90.09,45.62 89.87,45.66 89.69,45.73 89.54,45.82 89.41,45.92 89.28,46.04 89.15,46.17 89.01,46.3 88.84,46.44 88.63,46.57 87.49,45.61 88.5,44.52 88.73,44.63 88.92,44.74 89.08,44.86 89.22,44.98 89.36,45.09 89.5,45.19 89.66,45.28 89.85,45.34 90.08,45.39 90.36,45.4
index_bottom on Top: 94.03,42.41 94.04,42.65 94.07,42.84 94.13,43 94.19,43.14 94.27,43.27 94.36,43.39 94.44,43.52 94.53,43.66 94.61,43.83 94.69,44.03 93.7,44.78 92.99,43.76 93.11,43.6 93.23,43.47 93.35,43.36 93.46,43.26 93.56,43.17 93.65,43.06 93.72,42.94 93.78,42.8 93.81,42.62 93.83,42.41
index_bottom on Top: 85.28,45.6 85.01,45.62 84.79,45.66 84.61,45.73 84.46,45.82 84.33,45.92 84.2,46.04 84.07,46.17 83.93,46.3 83.76,46.44 83.55,46.57 82.41,45.61 83.42,44.52 83.65,44.63 83.84,44.74 84,44.86 84.14,44.98 84.28,45.09 84.42,45.19 84.58,45.28 84.77,45.34 85,45.39 85.28,45.4
index_bottom on Top: 85.93,45.4 86.19,45.38 86.4,45.34 86.58,45.27 86.72,45.18 86.85,45.08 86.98,44.96 87.11,44.84 87.25,44.73 87.43,44.61 87.65,44.51 88.63,45.62 87.49,46.56 87.3,46.44 87.15,46.31 87.02,46.18 86.9,46.05 86.79,45.93 86.67,45.82 86.54,45.73 86.38,45.66 86.18,45.62 85.93,45.6
index_bottom on Top: 92.54,45.4 92.71,45.38 92.82,45.32 92.88,45.22 92.9,45.1 92.9,44.95 92.87,44.78 92.85,44.61 92.83,44.42 92.83,44.24 92.86,44.05 94.09,43.95 93.78,45.26 93.62,45.27 93.49,45.29 93.38,45.33 93.28,45.38 93.18,45.43 93.09,45.48 92.98,45.53 92.86,45.57 92.71,45.59 92.54,45.6
index_col on Top: 84.01,100.26 83.74,100.28 83.51,100.32 83.33,100.39 83.18,100.48 83.04,100.58 82.91,100.7 82.78,100.82 82.63,100.95 82.45,101.08 82.24,101.2 81.14,100.2 82.19,99.15 82.41,99.26 82.6,99.39 82.75,99.51 82.89,99.63 83.03,99.75 83.17,99.85 83.32,99.93 83.51,100 83.73,100.05 84.01,100.06
index_col on Top: 87.2,42.86 87.46,42.84 87.67,42.8 87.85,42.73 87.99,42.64 88.12,42.54 88.25,42.42 88.38,42.3 88.52,42.19 88.7,42.07 88.92,41.97 89.9,43.08 88.76,44.02 88.57,43.9 88.42,43.77 88.29,43.64 88.17,43.51 88.06,43.39 87.94,43.28 87.81,43.19 87.65,43.12 87.45,43.08 87.2,43.06
index_col on Top: 105.45,20.85 105.17,20.87 104.95,20.91 104.77,20.98 104.62,21.07 104.48,21.17 104.35,21.28 104.21,21.41 104.06,21.53 103.88,21.66 103.66,21.78 102.59,20.75 103.66,19.72 103.88,19.84 104.06,19.97 104.21,20.1 104.35,20.22 104.48,20.33 104.62,20.44 104.77,20.52 104.95,20.59 105.17,20.64 105.45,20.65
index_col on Top: 101.48,22.3 101.66,22.09 101.79,21.9 101.87,21.73 101.91,21.56 101.94,21.39 101.95,21.21 101.96,21.03 101.98,20.83 102.02,20.62 102.08,20.38 103.57,20.35 103.54,21.83 103.3,21.9 103.08,21.94 102.89,21.96 102.7,21.97 102.53,21.98 102.36,22 102.19,22.05 102.01,22.13 101.82,22.25 101.62,22.44
index_col on Top: 87.2,80.86 87.47,80.84 87.69,80.8 87.87,80.73 88.03,80.64 88.17,80.54 88.3,80.43 88.44,80.32 88.6,80.22 88.79,80.12 89.02,80.04 89.9,81.24 88.67,82.06 88.49,81.92 88.35,81.78 88.23,81.64 88.13,81.51 88.03,81.39 87.92,81.28 87.79,81.19 87.63,81.12 87.44,81.08 87.2,81.06
index_col on Top: 84.01,43.06 83.74,43.08 83.52,43.12 83.34,43.19 83.19,43.28 83.06,43.38 82.93,43.5 82.8,43.63 82.66,43.76 82.49,43.9 82.28,44.03 81.14,43.07 82.15,41.98 82.38,42.09 82.57,42.2 82.73,42.32 82.87,42.44 83.01,42.55 83.15,42.65 83.31,42.74 83.5,42.8 83.73,42.85 84.01,42.86
index_col on Top: 108.33,19.42 108.51,19.27 108.67,19.16 108.83,19.08 108.98,19.03 109.12,19 109.26,18.96 109.41,18.92 109.55,18.85 109.7,18.76 109.86,18.62 111.24,19.43 110.17,20.46 109.95,20.32 109.76,20.16 109.59,19.97 109.44,19.79 109.29,19.62 109.14,19.48 108.99,19.39 108.84,19.36 108.66,19.41 108.47,19.56
index_col on Top: 84,62.06 83.73,62.08 83.52,62.12 83.35,62.19 83.2,62.28 83.07,62.38 82.95,62.51 82.82,62.64 82.69,62.77 82.52,62.91 82.32,63.05 81.15,62.15 82.1,61.01 82.34,61.11 82.53,61.22 82.7,61.33 82.99,61.55 83.13,61.65 83.29,61.74 83.48,61.8 83.72,61.85 84,61.86
